# KiCad board demomatrix.kicad_pcb (continued)
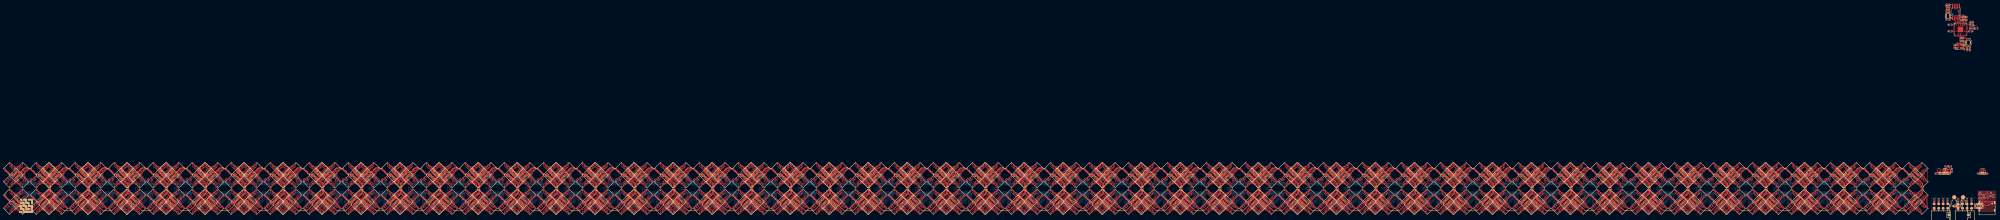
[diagram p0: board, top side]
## Routing (per net, layer and track width the routed paths; a pad name or vN(x,y) marks a point on that pad's centre or on a via; arc(x,y) is an arc through that point) (continued)
-202.28,11.78 -202.28,14.41 -202.67,14.79 -202.67,15.92 -205.14,18.4 -205.85,18.4 C409.1 -208.17,20.72 C413.1 ; C412.1 -208.24,5.51 C410.1 ; C412.1 -206.65,7.11 v1(-207.47,6.29) ; C104.1 -1023.75,5.46 LED189.2 ; C304.1 -492.65,7.11 v1(-493.47,6.29) ; C304.1 -492.65,7.32 -492.18,7.79 -491.14,7.79 -489.37,9.56 -488.66,10.27 -488.66,11.4 -488.28,11.78 -488.28,14.41 -488.67,14.79 -488.67,15.92 -491.14,18.4 -491.85,18.4 C301.1 -494.17,20.72 C305.1 ; C205.1 -756.65,7.11 v1(-757.47,6.29) ; C205.1 -758.24,5.51 C203.1 ; C403.1 -228.65,7.11 v1(-229.47,6.29) ; C403.1 -230.24,5.51 C401.1 ; C16.1 -822.65,7.11 v1(-823.47,6.29) ; v1(-405.47,6.29) -404.65,7.11 C340.1 ; C79.1 -32.24,5.51 C77.1 ; C287.1 -538.17,20.69 v1(-539.06,19.8) ; C287.1 -538.17,20.72 C283.1 -535.85,18.4 -535.14,18.4 -532.67,15.92 -532.67,14.79 -532.28,14.41 -532.28,11.78 -532.66,11.4 -532.66,10.27 -535.14,7.79 -536.18,7.79 -536.65,7.32 C286.1 ; C250.1 -648.24,5.51 C248.1 ; C250.1 -646.65,7.11 v1(-647.47,6.29) ; C250.1 -646.65,7.32 -646.18,7.79 -645.14,7.79 -643.37,9.56 -642.66,10.27 -642.66,11.4 -642.28,11.78 -642.28,14.41 -642.67,14.79 -642.67,15.92 -645.14,18.4 -645.85,18.4 C247.1 -648.17,20.72 C251.1 ; C145.1 -928.73,20.44 -932.19,23.9 ; C145.1 -927.21,20.54 v1(-928.06,21.39) ; C145.1 -925.5,22.15 C146.1 -924.31,22.15 -924.3,22.16 -923.92,22.16 -923.91,22.15 -923.49,22.15 -921.01,24.63 -919.88,24.63 -919.5,25 -919.13,25 -918.22,24.09 -917.39,24.09 LED261.2 -914.07,20.78 C152.1 ; C314.1 -474.07,20.78 LED549.2 -477.39,24.09 -478.22,24.09 -479.13,25 -479.5,25 -479.88,24.63 -481.01,24.63 -483.49,22.15 -483.91,22.15 -483.92,22.16 -484.3,22.16 -484.31,22.15 C308.1 -485.5,22.15 C307.1 ; C314.1 -472.17,20.69 v1(-473.06,19.8) ; C314.1 -472.17,20.72 C310.1 -469.85,18.4 -469.14,18.4 -466.67,15.92 -466.67,14.79 -466.28,14.41 -466.28,11.78 -466.66,11.4 -466.66,10.27 -469.14,7.79 -470.18,7.79 -470.65,7.32 C313.1 ; -1064.19,23.9 -1060.73,20.44 C91.1 ; v1(-1016.06,21.39) -1015.21,20.54 C109.1 ; C131.1 -956.24,5.51 C133.1 ; C131.1 -956.24,4.93 -956.54,4.63 -956.54,3.74 -959.76,0.51 -964.8,0.51 -966.15,1.86 -966.2,1.86 v1(-966.38,2.05) -966.56,2.05 -968.51,4 C132.1 -971.2,5.65 C129.1 -972.95,5.66 LED233.2 -976.26,8.97 v1(-975.52,9.7) ; v1(-889.47,6.29) -888.65,7.11 C160.1 ; v1(-249.52,9.7) -250.26,8.97 LED713.2 -246.95,5.66 C399.1 -245.2,5.65 C402.1 -242.51,4 -240.56,2.05 v1(-240.38,2.05) -240.2,1.86 -240.15,1.86 -238.8,0.51 -233.76,0.51 -230.54,3.74 -230.54,4.63 -230.24,4.93 C401.1 ; C313.1 -470.65,7.11 v1(-471.47,6.29) ; C88.1 -8.65,7.32 -8.18,7.79 -7.14,7.79 -5.37,9.56 -4.66,10.27 -4.66,11.4 -4.28,11.78 -4.28,14.41 -4.67,14.79 -4.67,15.92 -7.14,18.4 -7.85,18.4 C85.1 -10.17,20.72 C89.1 ; C88.1 -8.65,7.11 v1(-9.47,6.29) ; C298.1 -507.5,22.15 C299.1 -506.31,22.15 -506.3,22.16 -505.92,22.16 -505.91,22.15 -505.49,22.15 -503.01,24.63 -501.88,24.63 -501.5,25 -501.13,25 -500.22,24.09 -499.39,24.09 LED533.2 -496.07,20.78 C305.1 ; C298.1 -510.73,20.44 -514.19,23.9 ; C298.1 -509.21,20.54 v1(-510.06,21.39) ; C295.1 -516.24,5.51 C293.1 ; C59.1 -76.24,5.51 C61.1 ; C59.1 -77.75,5.46 LED109.2 ; C59.1 -76.24,4.93 -76.54,4.63 -76.54,3.74 -79.76,0.51 -84.8,0.51 -86.15,1.86 -86.2,1.86 v1(-86.38,2.05) -86.56,2.05 -88.51,4 C60.1 -91.2,5.65 C57.1 -92.95,5.66 LED105.2 -96.26,8.97 v1(-95.52,9.7) ; C286.1 -536.65,7.11 v1(-537.47,6.29) ; C439.1 -142.24,5.51 C437.1 ; C439.1 -140.65,7.32 -140.18,7.79 -139.14,7.79 -137.37,9.56 -136.66,10.27 -136.66,11.4 -136.28,11.78 -136.28,14.41 -136.67,14.79 -136.67,15.92 -139.14,18.4 -139.85,18.4 C436.1 -142.17,20.72 C440.1 ; C439.1 -140.65,7.11 v1(-141.47,6.29) ; C134.1 -956.17,20.72 C130.1 -953.85,18.4 -953.14,18.4 -950.67,15.92 -950.67,14.79 -950.28,14.41 -950.28,11.78 -950.66,11.4 -950.66,10.27 -953.14,7.79 -954.18,7.79 -954.65,7.32 C133.1 ; C134.1 -956.17,20.69 v1(-957.06,19.8) ; C134.1 -958.07,20.78 LED229.2 -961.39,24.09 -962.22,24.09 -963.13,25 -963.5,25 -963.88,24.63 -965.01,24.63 -967.49,22.15 -967.91,22.15 -967.92,22.16 -968.3,22.16 -968.31,22.15 C128.1 -969.5,22.15 C127.1 ; C116.1 -1002.07,20.78 LED197.2 -1005.39,24.09 -1006.22,24.09 -1007.13,25 -1007.5,25 -1007.88,24.63 -1009.01,24.63 -1011.49,22.15 -1011.91,22.15 -1011.92,22.16 -1012.3,22.16 -1012.31,22.15 C110.1 -1013.5,22.15 C109.1 ; C116.1 -1000.17,20.69 v1(-1001.06,19.8) ; C431.1 -166.07,20.78 LED757.2 -169.39,24.09 -170.22,24.09 -171.13,25 -171.5,25 -171.88,24.63 -173.01,24.63 -175.49,22.15 -175.91,22.15 -175.92,22.16 -176.3,22.16 -176.31,22.15 C425.1 -177.5,22.15 C424.1 ; C431.1 -164.17,20.69 v1(-165.06,19.8) ; -756.19,23.9 -752.73,20.44 C208.1 ; LED45.2 -583.75,5.46 C23.1 ; C361.1 -334.73,20.44 -338.19,23.9 ; C361.1 -333.21,20.54 v1(-334.06,21.39) ; v1(-356.06,21.39) -355.21,20.54 C28.1 ; C230.1 -693.75,5.46 LED413.2 ; C230.1 -692.24,4.93 -692.54,4.63 -692.54,3.74 -695.76,0.51 -700.8,0.51 -702.15,1.86 -702.2,1.86 v1(-702.38,2.05) -702.56,2.05 -704.51,4 C231.1 -707.2,5.65 C228.1 -708.95,5.66 LED409.2 -712.26,8.97 v1(-711.52,9.7) ; C374.1 -297.75,5.46 LED669.2 ; C374.1 -296.24,4.93 -296.54,4.63 -296.54,3.74 -299.76,0.51 -304.8,0.51 -306.15,1.86 -306.2,1.86 v1(-306.38,2.05) -306.56,2.05 -308.51,4 C375.1 -311.2,5.65 C372.1 -312.95,5.66 LED665.2 -316.26,8.97 v1(-315.52,9.7) ; C401.1 -231.75,5.46 LED717.2 ; C349.1 -382.65,7.32 -382.18,7.79 -381.14,7.79 -379.37,9.56 -378.66,10.27 -378.66,11.4 -378.28,11.78 -378.28,14.41 -378.67,14.79 -378.67,15.92 -381.14,18.4 -381.85,18.4 C346.1 -384.17,20.72 C350.1 ; C406.1 -221.5,22.15 C407.1 -220.31,22.15 -220.3,22.16 -219.92,22.16 -219.91,22.15 -219.49,22.15 -217.01,24.63 -215.88,24.63 -215.5,25 -215.13,25 -214.22,24.09 -213.39,24.09 LED725.2 -210.07,20.78 C413.1 ; C406.1 -223.21,20.54 v1(-224.06,21.39) ; C406.1 -224.73,20.44 -228.19,23.9 ; C133.1 -954.65,7.11 v1(-955.47,6.29) ; C394.1 -250.65,7.32 -250.18,7.79 -249.14,7.79 -247.37,9.56 -246.66,10.27 -246.66,11.4 -246.28,11.78 -246.28,14.41 -246.67,14.79 -246.67,15.92 -249.14,18.4 -249.85,18.4 C391.1 -252.17,20.72 C395.1 ; C394.1 -250.65,7.11 v1(-251.47,6.29) ; C32.1 -340.24,4.93 -340.54,4.63 -340.54,3.74 -343.76,0.51 -348.8,0.51 -350.15,1.86 -350.2,1.86 v1(-350.38,2.05) -350.56,2.05 -352.51,4 C33.1 -355.2,5.65 C30.1 -356.95,5.66 LED57.2 -360.26,8.97 v1(-359.52,9.7) ; C32.1 -340.24,5.51 C34.1 ; C395.1 -252.17,20.69 v1(-253.06,19.8) ; C199.1 -774.73,20.44 -778.19,23.9 ; C199.1 -773.21,20.54 v1(-774.06,21.39) ; C320.1 -450.24,4.93 -450.54,4.63 -450.54,3.74 -453.76,0.51 -458.8,0.51 -460.15,1.86 -460.2,1.86 v1(-460.38,2.05) -460.56,2.05 -462.51,4 C321.1 -465.2,5.65 C318.1 -466.95,5.66 LED569.2 -470.26,8.97 v1(-469.52,9.7) ; C320.1 -451.75,5.46 LED573.2 ; v1(-121.06,19.8) -120.17,20.69 C44.1 ; C242.1 -672.07,20.78 LED421.2 -675.39,24.09 -676.22,24.09 -677.13,25 -677.5,25 -677.88,24.63 -679.01,24.63 -681.49,22.15 -681.91,22.15 -681.92,22.16 -682.3,22.16 -682.31,22.15 C236.1 -683.5,22.15 C235.1 ; C242.1 -670.17,20.69 v1(-671.06,19.8) ; C208.1 -749.5,22.15 C209.1 -748.31,22.15 -748.3,22.16 -747.92,22.16 -747.91,22.15 -747.49,22.15 -745.01,24.63 -743.88,24.63 -743.5,25 -743.13,25 -742.22,24.09 -741.39,24.09 LED373.2 -738.07,20.78 C215.1 ; C208.1 -751.21,20.54 v1(-752.06,21.39) ; v1(-1019.52,9.7) -1020.26,8.97 LED201.2 -1016.95,5.66 C111.1 -1015.2,5.65 C114.1 -1012.51,4 -1010.56,2.05 v1(-1010.38,2.05) -1010.2,1.86 -1010.15,1.86 -1008.8,0.51 -1003.76,0.51 -1000.54,3.74 -1000.54,4.63 -1000.24,4.93 C113.1 ; C187.1 -800.65,7.11 v1(-801.47,6.29) ; C25.1 -580.65,7.11 v1(-581.47,6.29) ; C25.1 -580.65,7.32 -580.18,7.79 -579.14,7.79 -577.37,9.56 -576.66,10.27 -576.66,11.4 -576.28,11.78 -576.28,14.41 -576.67,14.79 -576.67,15.92 -579.14,18.4 -579.85,18.4 C22.1 -582.17,20.72 C26.1 ; C25.1 -582.24,5.51 C23.1 ; -448.19,23.9 -444.73,20.44 C325.1 ; v1(-913.06,19.8) -912.17,20.69 C152.1 ; C221.1 -715.75,5.46 LED397.2 ; C221.1 -714.24,4.93 -714.54,4.63 -714.54,3.74 -717.76,0.51 -722.8,0.51 -724.15,1.86 -724.2,1.86 v1(-724.38,2.05) -724.56,2.05 -726.51,4 C222.1 -729.2,5.65 C219.1 -730.95,5.66 LED393.2 -734.26,8.97 v1(-733.52,9.7) ; C221.1 -714.24,5.51 C223.1 ; C433.1 -155.5,22.15 C434.1 -154.31,22.15 -154.3,22.16 -153.92,22.16 -153.91,22.15 -153.49,22.15 -151.01,24.63 -149.88,24.63 -149.5,25 -149.13,25 -148.22,24.09 -147.39,24.09 LED773.2 -144.07,20.78 C440.1 ; C433.1 -158.73,20.44 -162.19,23.9 ; C433.1 -157.21,20.54 v1(-158.06,21.39) ; v1(-227.52,9.7) -228.26,8.97 LED729.2 -224.95,5.66 C408.1 -223.2,5.65 C411.1 -220.51,4 -218.56,2.05 v1(-218.38,2.05) -218.2,1.86 -218.15,1.86 -216.8,0.51 -211.76,0.51 -208.54,3.74 -208.54,4.63 -208.24,4.93 C410.1 ; C152.1 -912.17,20.72 C148.1 -909.85,18.4 -909.14,18.4 -906.67,15.92 -906.67,14.79 -906.28,14.41 -906.28,11.78 -906.66,11.4 -906.66,10.27 -909.14,7.79 -910.18,7.79 -910.65,7.32 C151.1 ; C140.1 -935.75,5.46 LED253.2 ; C140.1 -934.24,4.93 -934.54,4.63 -934.54,3.74 -937.76,0.51 -942.8,0.51 -944.15,1.86 -944.2,1.86 v1(-944.38,2.05) -944.56,2.05 -946.51,4 C141.1 -949.2,5.65 C138.1 -950.95,5.66 LED249.2 -954.26,8.97 v1(-953.52,9.7) ; C203.1 -758.24,4.93 -758.54,4.63 -758.54,3.74 -761.76,0.51 -766.8,0.51 -768.15,1.86 -768.2,1.86 v1(-768.38,2.05) -768.56,2.05 -770.51,4 C204.1 -773.2,5.65 C201.1 -774.95,5.66 LED361.2 -778.26,8.97 v1(-777.52,9.7) ; C203.1 -759.75,5.46 LED365.2 ; LED173.2 -1045.75,5.46 C95.1 ; C271.1 -575.21,20.54 v1(-576.06,21.39) ; C271.1 -576.73,20.44 -580.19,23.9 ; C109.1 -1016.73,20.44 -1020.19,23.9 ; C217.1 -727.5,22.15 C218.1 -726.31,22.15 -726.3,22.16 -725.92,22.16 -725.91,22.15 -725.49,22.15 -723.01,24.63 -721.88,24.63 -721.5,25 -721.13,25 -720.22,24.09 -719.39,24.09 LED389.2 -716.07,20.78 C224.1 ; C217.1 -729.21,20.54 v1(-730.06,21.39) ; C217.1 -730.73,20.44 -734.19,23.9 ; v1(-779.47,6.29) -778.65,7.11 C196.1 ; C161.1 -892.07,20.78 LED277.2 -895.39,24.09 -896.22,24.09 -897.13,25 -897.5,25 -897.88,24.63 -899.01,24.63 -901.49,22.15 -901.91,22.15 -901.92,22.16 -902.3,22.16 -902.31,22.15 C155.1 -903.5,22.15 C154.1 ; C161.1 -890.17,20.72 C157.1 -887.85,18.4 -887.14,18.4 -884.67,15.92 -884.67,14.79 -884.28,14.41 -884.28,11.78 -884.66,11.4 -884.66,10.27 -887.14,7.79 -888.18,7.79 -888.65,7.32 C160.1 ; C161.1 -890.17,20.69 v1(-891.06,19.8) ; C19.1 -595.5,22.15 C20.1 -594.31,22.15 -594.3,22.16 -593.92,22.16 -593.91,22.15 -593.49,22.15 -591.01,24.63 -589.88,24.63 -589.5,25 -589.13,25 -588.22,24.09 -587.39,24.09 LED37.2 -584.07,20.78 C26.1 ; C19.1 -597.21,20.54 v1(-598.06,21.39) ; C19.1 -598.73,20.44 -602.19,23.9 ; v1(-1085.52,9.7) -1086.26,8.97 LED9.2 -1082.95,5.66 C3.1 -1081.2,5.65 C6.1 -1078.51,4 -1076.56,2.05 v1(-1076.38,2.05) -1076.2,1.86 -1076.15,1.86 -1074.8,0.51 -1069.76,0.51 -1066.54,3.74 -1066.54,4.63 -1066.24,4.93 C5.1 ; -866.19,23.9 -862.73,20.44 C172.1 ; C385.1 -272.65,7.32 -272.18,7.79 -271.14,7.79 -269.37,9.56 -268.66,10.27 -268.66,11.4 -268.28,11.78 -268.28,14.41 -268.67,14.79 -268.67,15.92 -271.14,18.4 -271.85,18.4 C382.1 -274.17,20.72 C386.1 ; C385.1 -272.65,7.11 v1(-273.47,6.29) ; C50.1 -99.75,5.46 LED93.2 ; C50.1 -98.24,5.51 C52.1 ; C50.1 -98.24,4.93 -98.54,4.63 -98.54,3.74 -101.76,0.51 -106.8,0.51 -108.15,1.86 -108.2,1.86 v1(-108.38,2.05) -108.56,2.05 -110.51,4 C51.1 -113.2,5.65 C48.1 -114.95,5.66 LED89.2 -118.26,8.97 v1(-117.52,9.7) ; C149.1 -912.24,4.93 -912.54,4.63 -912.54,3.74 -915.76,0.51 -920.8,0.51 -922.15,1.86 -922.2,1.86 v1(-922.38,2.05) -922.56,2.05 -924.51,4 C150.1 -927.2,5.65 C147.1 -928.95,5.66 LED265.2 -932.26,8.97 v1(-931.52,9.7) ; C149.1 -912.24,5.51 C151.1 ; C127.1 -972.73,20.44 -976.19,23.9 ; C127.1 -971.21,20.54 v1(-972.06,21.39) ; C379.1 -287.5,22.15 C380.1 -286.31,22.15 -286.3,22.16 -285.92,22.16 -285.91,22.15 -285.49,22.15 -283.01,24.63 -281.88,24.63 -281.5,25 -281.13,25 -280.22,24.09 -279.39,24.09 LED677.2 -276.07,20.78 C386.1 ; C307.1 -488.73,20.44 -492.19,23.9 ; C307.1 -487.21,20.54 v1(-488.06,21.39) ; C151.1 -910.65,7.11 v1(-911.47,6.29) ; C122.1 -978.24,5.51 C124.1 ; C122.1 -979.75,5.46 LED221.2 ; C73.1 -47.21,20.54 v1(-48.06,21.39) ; C73.1 -48.73,20.44 -52.19,23.9 ; C125.1 -978.17,20.69 v1(-979.06,19.8) ; C125.1 -978.17,20.72 C121.1 -975.85,18.4 -975.14,18.4 -972.67,15.92 -972.67,14.79 -972.28,14.41 -972.28,11.78 -972.66,11.4 -972.66,10.27 -975.14,7.79 -976.18,7.79 -976.65,7.32 C124.1 ; C125.1 -980.07,20.78 LED213.2 -983.39,24.09 -984.22,24.09 -985.13,25 -985.5,25 -985.88,24.63 -987.01,24.63 -989.49,22.15 -989.91,22.15 -989.92,22.16 -990.3,22.16 -990.31,22.15 C119.1 -991.5,22.15 C118.1 ; C424.1 -179.21,20.54 v1(-180.06,21.39) ; C424.1 -180.73,20.44 -184.19,23.9 ; v1(-495.06,19.8) -494.17,20.69 C305.1 ; C316.1 -465.21,20.54 v1(-466.06,21.39) ; C316.1 -466.73,20.44 -470.19,23.9 ; v1(-161.52,9.7) -162.26,8.97 LED777.2 -158.95,5.66 C435.1 -157.2,5.65 C438.1 -154.51,4 -152.56,2.05 v1(-152.38,2.05) -152.2,1.86 -152.15,1.86 -150.8,0.51 -145.76,0.51 -142.54,3.74 -142.54,4.63 -142.24,4.93 C437.1 ; C437.1 -143.75,5.46 LED781.2 ; C37.1 -135.21,20.54 v1(-136.06,21.39) ; C37.1 -133.5,22.15 C38.1 -132.31,22.15 -132.3,22.16 -131.92,22.16 -131.91,22.15 -131.49,22.15 -129.01,24.63 -127.88,24.63 -127.5,25 -127.13,25 -126.22,24.09 -125.39,24.09 LED69.2 -122.07,20.78 C44.1 ; C37.1 -136.73,20.44 -140.19,23.9 ; C251.1 -648.17,20.69 v1(-649.06,19.8) ; C251.1 -650.07,20.78 LED437.2 -653.39,24.09 -654.22,24.09 -655.13,25 -655.5,25 -655.88,24.63 -657.01,24.63 -659.49,22.15 -659.91,22.15 -659.92,22.16 -660.3,22.16 -660.31,22.15 C245.1 -661.5,22.15 C244.1 ; LED429.2 -671.75,5.46 C239.1 ; C275.1 -560.24,5.51 C277.1 ; C275.1 -561.75,5.46 LED493.2 ; C275.1 -560.24,4.93 -560.54,4.63 -560.54,3.74 -563.76,0.51 -568.8,0.51 -570.15,1.86 -570.2,1.86 v1(-570.38,2.05) -570.56,2.05 -572.51,4 C276.1 -575.2,5.65 C273.1 -576.95,5.66 LED489.2 -580.26,8.97 v1(-579.52,9.7) ; -624.19,23.9 -620.73,20.44 C262.1 ; C239.1 -670.24,4.93 -670.54,4.63 -670.54,3.74 -673.76,0.51 -678.8,0.51 -680.15,1.86 -680.2,1.86 v1(-680.38,2.05) -680.56,2.05 -682.51,4 C240.1 -685.2,5.65 C237.1 -686.95,5.66 LED425.2 -690.26,8.97 v1(-689.52,9.7) ; C118.1 -994.73,20.44 -998.19,23.9 ; LED637.2 -363.75,5.46 C356.1 ; C124.1 -976.65,7.11 v1(-977.47,6.29) ; C359.1 -362.17,20.72 C355.1 -359.85,18.4 -359.14,18.4 -356.67,15.92 -356.67,14.79 -356.28,14.41 -356.28,11.78 -356.66,11.4 -356.66,10.27 -359.14,7.79 -360.18,7.79 -360.65,7.32 C358.1 ; C359.1 -362.17,20.69 v1(-363.06,19.8) ; C359.1 -364.07,20.78 LED629.2 -367.39,24.09 -368.22,24.09 -369.13,25 -369.5,25 -369.88,24.63 -371.01,24.63 -373.49,22.15 -373.91,22.15 -373.92,22.16 -374.3,22.16 -374.31,22.15 C353.1 -375.5,22.15 C352.1 ; C154.1 -906.73,20.44 -910.19,23.9 ; C154.1 -905.21,20.54 v1(-906.06,21.39) ; C415.1 -202.73,20.44 -206.19,23.9 ; C415.1 -201.21,20.54 v1(-202.06,21.39) ; v1(-1067.06,19.8) -1066.17,20.69 C8.1 ; C352.1 -378.73,20.44 -382.19,23.9 ; C352.1 -377.21,20.54 v1(-378.06,21.39) ; C181.1 -818.73,20.44 -822.19,23.9 ; C181.1 -817.21,20.54 v1(-818.06,21.39) ; C71.1 -56.07,20.78 LED117.2 -59.39,24.09 -60.22,24.09 -61.13,25 -61.5,25 -61.88,24.63 -63.01,24.63 -65.49,22.15 -65.91,22.15 -65.92,22.16 -66.3,22.16 -66.31,22.15 C65.1 -67.5,22.15 C64.1 ; C266.1 -604.24,4.93 -604.54,4.63 -604.54,3.74 -607.76,0.51 -612.8,0.51 -614.15,1.86 -614.2,1.86 v1(-614.38,2.05) -614.56,2.05 -616.51,4 C267.1 -619.2,5.65 C264.1 -620.95,5.66 LED473.2 -624.26,8.97 v1(-623.52,9.7) ; v1(-97.47,6.29) -96.65,7.11 C52.1 ; C46.1 -111.5,22.15 C47.1 -110.31,22.15 -110.3,22.16 -109.92,22.16 -109.91,22.15 -109.49,22.15 -107.01,24.63 -105.88,24.63 -105.5,25 -105.13,25 -104.22,24.09 -103.39,24.09 LED85.2 -100.07,20.78 C53.1 ; C46.1 -113.21,20.54 v1(-114.06,21.39) ; C46.1 -114.73,20.44 -118.19,23.9 ; C340.1 -406.24,5.51 C338.1 ; v1(-209.06,19.8) -208.17,20.69 C413.1 ; v1(-1023.06,19.8) -1022.17,20.69 C107.1 ; C143.1 -934.17,20.69 v1(-935.06,19.8) ; C331.1 -426.65,7.11 v1(-427.47,6.29) ; C331.1 -426.65,7.32 -426.18,7.79 -425.14,7.79 -423.37,9.56 -422.66,10.27 -422.66,11.4 -422.28,11.78 -422.28,14.41 -422.67,14.79 -422.67,15.92 -425.14,18.4 -425.85,18.4 C328.1 -428.17,20.72 C332.1 ; C293.1 -516.24,4.93 -516.54,4.63 -516.54,3.74 -519.76,0.51 -524.8,0.51 -526.15,1.86 -526.2,1.86 v1(-526.38,2.05) -526.56,2.05 -528.51,4 C294.1 -531.2,5.65 C291.1 -532.95,5.66 LED521.2 -536.26,8.97 v1(-535.52,9.7) ; C293.1 -517.75,5.46 LED525.2 ; v1(-865.52,9.7) -866.26,8.97 LED313.2 -862.95,5.66 C174.1 -861.2,5.65 C177.1 -858.51,4 -856.56,2.05 v1(-856.38,2.05) -856.2,1.86 -856.15,1.86 -854.8,0.51 -849.76,0.51 -846.54,3.74 -846.54,4.63 -846.24,4.93 C176.1 ; C367.1 -316.65,7.11 v1(-317.47,6.29) ; C160.1 -890.24,5.51 C158.1 ; C386.1 -274.17,20.69 v1(-275.06,19.8) ; C224.1 -714.17,20.72 C220.1 -711.85,18.4 -711.14,18.4 -708.67,15.92 -708.67,14.79 -708.28,14.41 -708.28,11.78 -708.66,11.4 -708.66,10.27 -711.14,7.79 -712.18,7.79 -712.65,7.32 C223.1 ; C224.1 -714.17,20.69 v1(-715.06,19.8) ; C248.1 -649.75,5.46 LED445.2 ; C440.1 -142.17,20.69 v1(-143.06,19.8) ; C98.1 -1046.07,20.78 LED165.2 -1049.39,24.09 -1050.22,24.09 -1051.13,25 -1051.5,25 -1051.88,24.63 -1053.01,24.63 -1055.49,22.15 -1055.91,22.15 -1055.92,22.16 -1056.3,22.16 -1056.31,22.15 C92.1 -1057.5,22.15 C91.1 ; C98.1 -1044.17,20.69 v1(-1045.06,19.8) ; C212.1 -737.75,5.46 LED381.2 ; C43.1 -120.24,5.51 C41.1 ; C43.1 -118.65,7.11 v1(-119.47,6.29) ; C43.1 -118.65,7.32 -118.18,7.79 -117.14,7.79 -115.37,9.56 -114.66,10.27 -114.66,11.4 -114.28,11.78 -114.28,14.41 -114.67,14.79 -114.67,15.92 -117.14,18.4 -117.85,18.4 C40.1 -120.17,20.72 C44.1 ; C113.1 -1001.75,5.46 LED205.2 ; C338.1 -407.75,5.46 LED605.2 ; C23.1 -582.24,4.93 -582.54,4.63 -582.54,3.74 -585.76,0.51 -590.8,0.51 -592.15,1.86 -592.2,1.86 v1(-592.38,2.05) -592.56,2.05 -594.51,4 C24.1 -597.2,5.65 C21.1 -598.95,5.66 LED41.2 -602.26,8.97 v1(-601.52,9.7) ; v1(-1060.06,21.39) -1059.21,20.54 C91.1 ; C7.1 -1064.65,7.11 v1(-1065.47,6.29) ; C7.1 -1064.65,7.32 -1064.18,7.79 -1063.14,7.79 -1061.37,9.56 -1060.66,10.27 -1060.66,11.4 -1060.28,11.78 -1060.28,14.41 -1060.67,14.79 -1060.67,15.92 -1063.14,18.4 -1063.85,18.4 C4.1 -1066.17,20.72 C8.1 ; C7.1 -1066.24,5.51 C5.1 ; C68.1 -55.75,5.46 LED125.2 ; C68.1 -54.24,4.93 -54.54,4.63 -54.54,3.74 -57.76,0.51 -62.8,0.51 -64.15,1.86 -64.2,1.86 v1(-64.38,2.05) -64.56,2.05 -66.51,4 C69.1 -69.2,5.65 C66.1 -70.95,5.66 LED121.2 -74.26,8.97 v1(-73.52,9.7) ; C172.1 -861.21,20.54 v1(-862.06,21.39) ; C5.1 -1067.75,5.46 LED13.2 ; C158.1 -891.75,5.46 LED285.2 ; C95.1 -1044.24,4.93 -1044.54,4.63 -1044.54,3.74 -1047.76,0.51 -1052.8,0.51 -1054.15,1.86 -1054.2,1.86 v1(-1054.38,2.05) -1054.56,2.05 -1056.51,4 C96.1 -1059.2,5.65 C93.1 -1060.95,5.66 LED169.2 -1064.26,8.97 v1(-1063.52,9.7) ; C223.1 -712.65,7.11 v1(-713.47,6.29) ; C350.1 -384.17,20.69 v1(-385.06,19.8) ; v1(-708.06,21.39) -707.21,20.54 C226.1 ; v1(-737.06,19.8) -736.17,20.69 C215.1 ; C41.1 -120.24,4.93 -120.54,4.63 -120.54,3.74 -123.76,0.51 -128.8,0.51 -130.15,1.86 -130.2,1.86 v1(-130.38,2.05) -130.56,2.05 -132.51,4 C42.1 -135.2,5.65 C39.1 -136.95,5.66 LED73.2 -140.26,8.97 v1(-139.52,9.7) ; C358.1 -360.65,7.11 v1(-361.47,6.29) ; C358.1 -362.24,5.51 C356.1 ; C176.1 -847.75,5.46 LED317.2 ; C356.1 -362.24,4.93 -362.54,4.63 -362.54,3.74 -365.76,0.51 -370.8,0.51 -372.15,1.86 -372.2,1.86 v1(-372.38,2.05) -372.56,2.05 -374.51,4 C357.1 -377.2,5.65 C354.1 -378.95,5.66 LED633.2 -382.26,8.97 v1(-381.52,9.7) ; -712.19,23.9 -708.73,20.44 C226.1 ; C325.1 -443.21,20.54 v1(-444.06,21.39) ; C325.1 -441.5,22.15 C326.1 -440.31,22.15 -440.3,22.16 -439.92,22.16 -439.91,22.15 -439.49,22.15 -437.01,24.63 -435.88,24.63 -435.5,25 -435.13,25 -434.22,24.09 -433.39,24.09 LED581.2 -430.07,20.78 C332.1 ; C53.1 -98.17,20.72 C49.1 -95.85,18.4 -95.14,18.4 -92.67,15.92 -92.67,14.79 -92.28,14.41 -92.28,11.78 -92.66,11.4 -92.66,10.27 -95.14,7.79 -96.18,7.79 -96.65,7.32 C52.1 ; C262.1 -617.5,22.15 C263.1 -616.31,22.15 -616.3,22.16 -615.92,22.16 -615.91,22.15 -615.49,22.15 -613.01,24.63 -611.88,24.63 -611.5,25 -611.13,25 -610.22,24.09 -609.39,24.09 LED469.2 -606.07,20.78 C269.1 ; C262.1 -619.21,20.54 v1(-620.06,21.39) ; C332.1 -428.17,20.69 v1(-429.06,19.8) ; C26.1 -582.17,20.69 v1(-583.06,19.8) ; C28.1 -356.73,20.44 -360.19,23.9 ; C269.1 -604.17,20.69 v1(-605.06,19.8) ; C167.1 -868.24,4.93 -868.54,4.63 -868.54,3.74 -871.76,0.51 -876.8,0.51 -878.15,1.86 -878.2,1.86 v1(-878.38,2.05) -878.56,2.05 -880.51,4 C168.1 -883.2,5.65 C165.1 -884.95,5.66 LED297.2 -888.26,8.97 v1(-887.52,9.7) ; C167.1 -869.75,5.46 LED301.2 ; C64.1 -69.21,20.54 v1(-70.06,21.39) ; C64.1 -70.73,20.44 -74.19,23.9 ; C277.1 -558.65,7.11 v1(-559.47,6.29) ; C260.1 -626.17,20.69 v1(-627.06,19.8)
